# Altium PCB VNA_v4.PcbDoc (part 3 of 5)
Units mm, origin at the board's own origin, x right, y up, seen from the top; angles counter-clockwise.
Board outline 179 x 180 mm, 2 copper layers (Top Layer, Bottom Layer), stack 1.601 mm thick; 281 components, 184 nets, 845 pads, 5745 vias.
Unrouted connection lines stored in the file: 5.
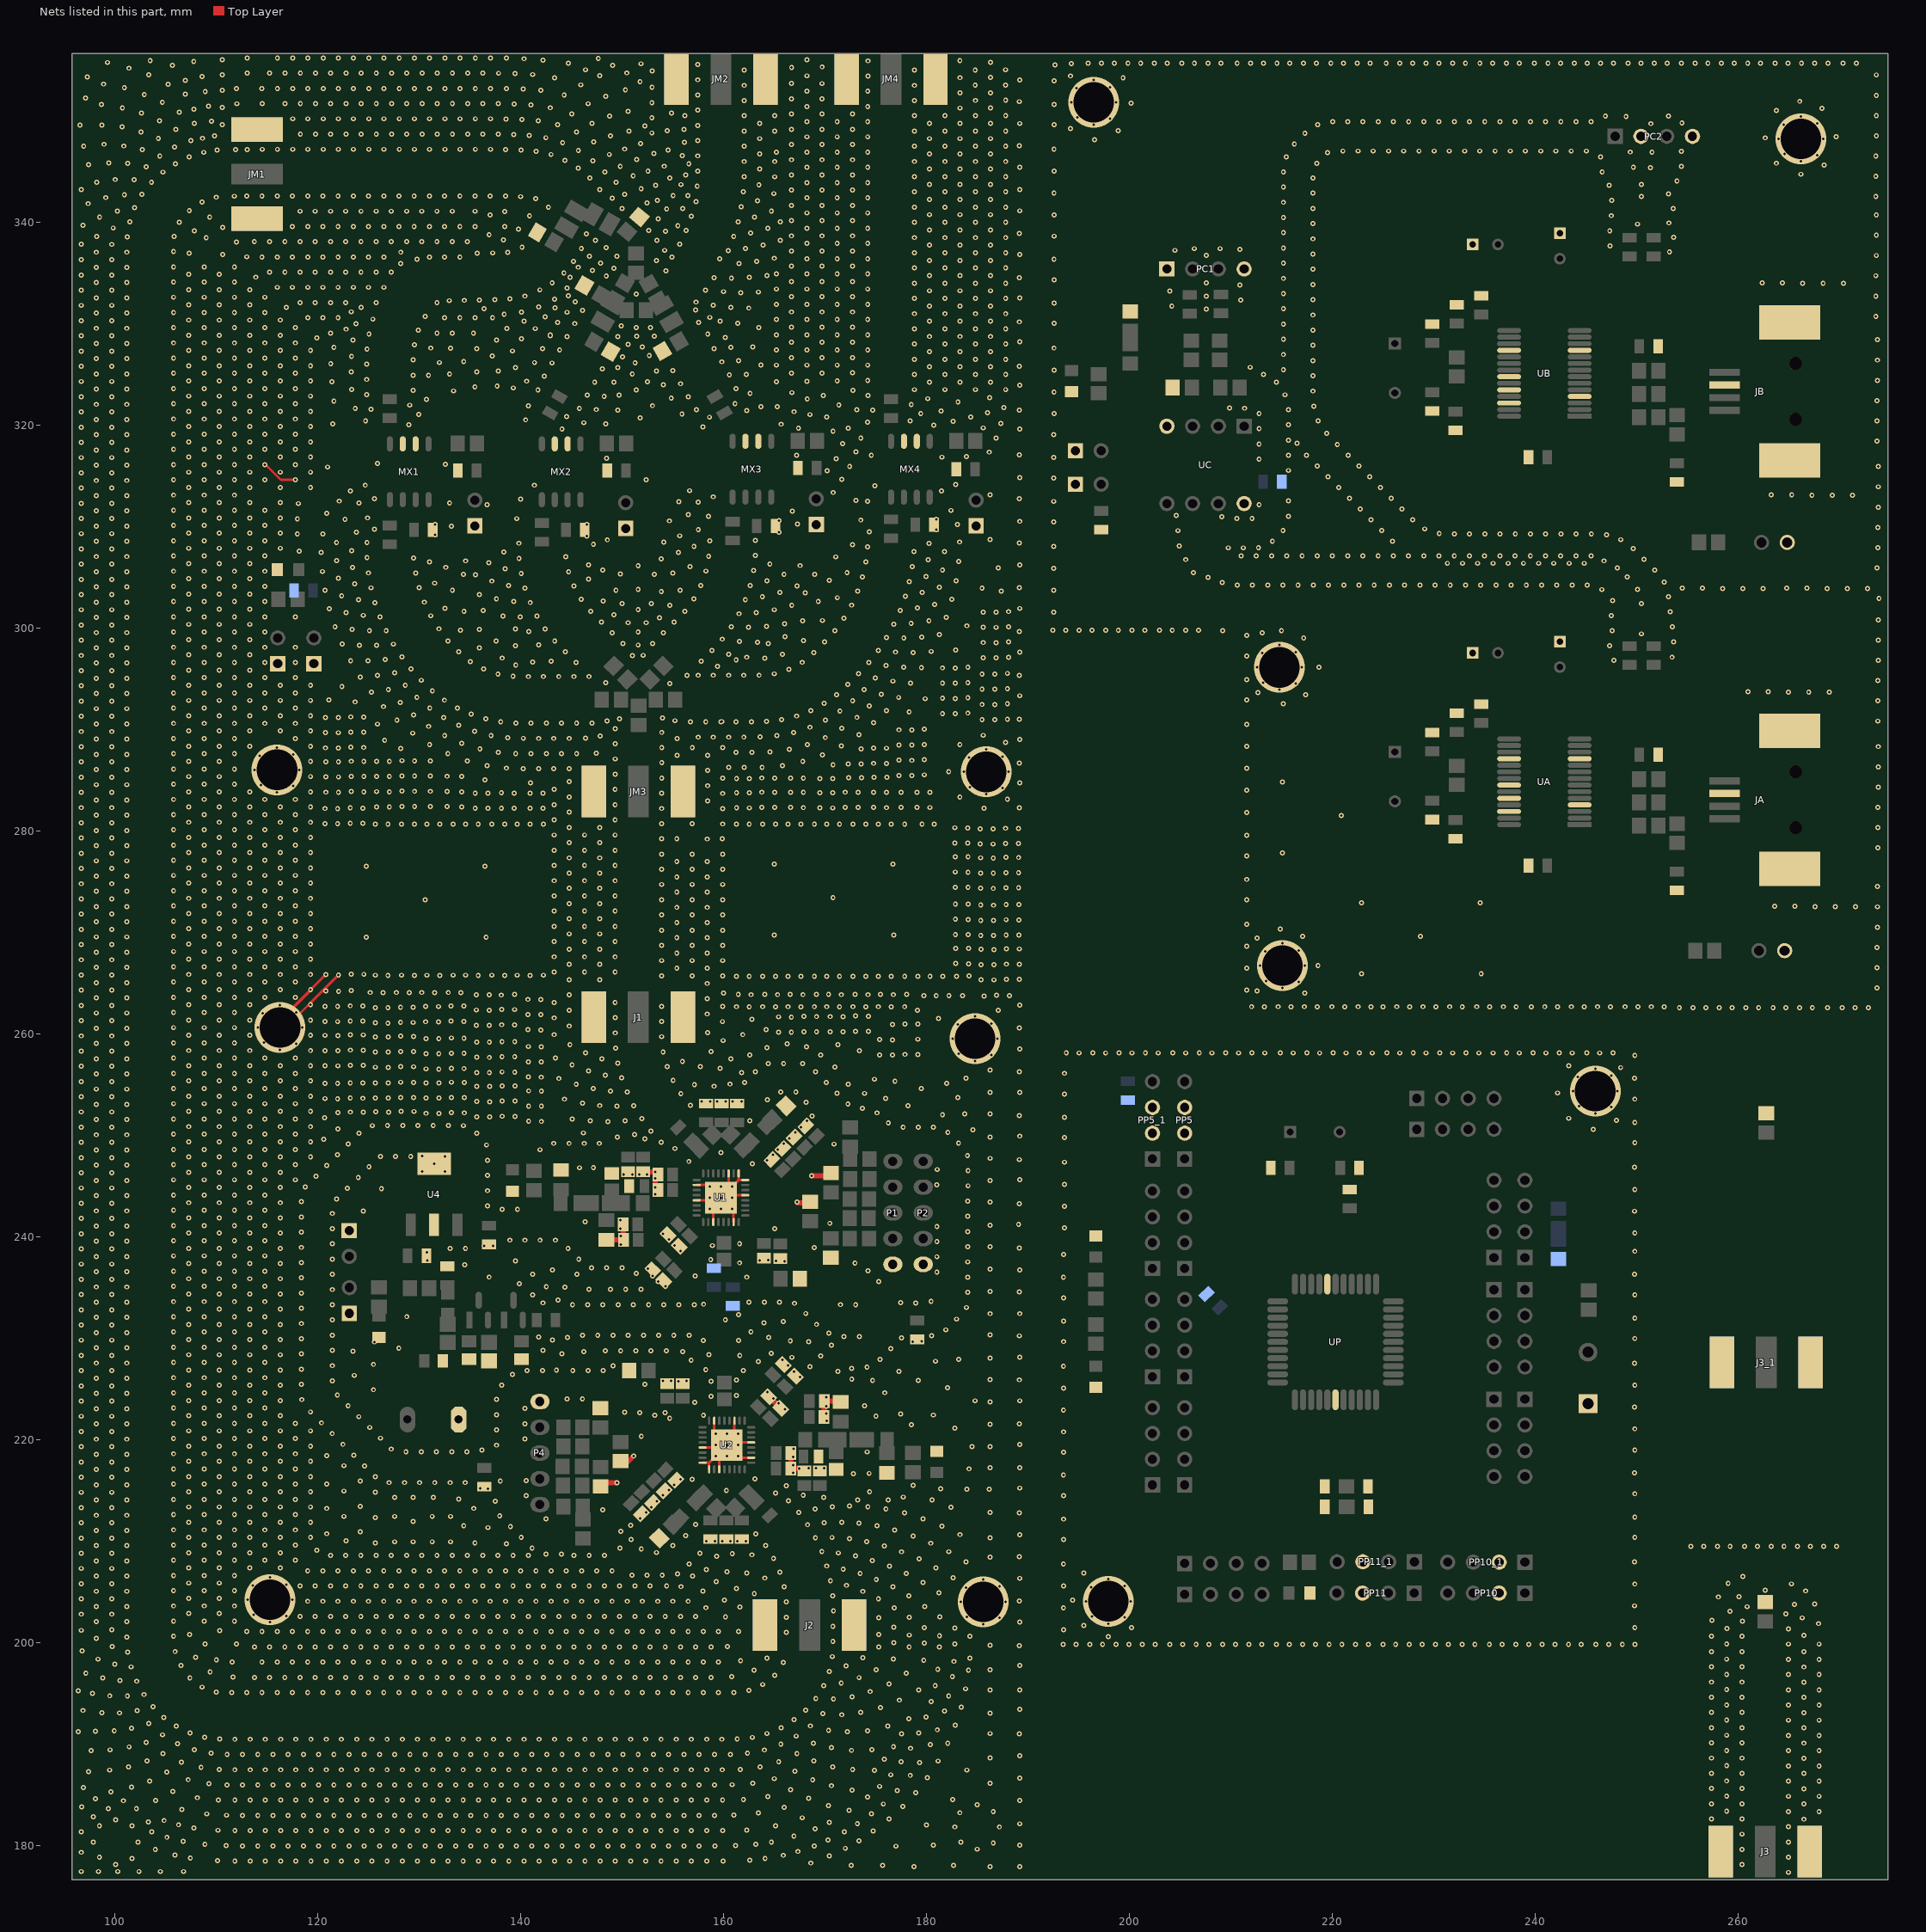
[diagram p3: the nets of this part, all layers, seen from the top]

## Via types
v1: diameter 0.5, hole 0.254, Top Layer to Bottom Layer, 5718 vias
v2: diameter 5, hole 4, Top Layer to Bottom Layer, 12 vias
v3: diameter 1, hole 0.5, Top Layer to Bottom Layer, 8 vias
v4: diameter 1.27, hole 0.711, Top Layer to Bottom Layer, 7 vias

## Nets (pads, with @x,y where several pads share a name; then routed paths per layer and width w, separated by ;. In a path a pad name is that pad's centre, name@x,y a point inside that pad or via, vN(x,y) a via of type N, cw(c..) or ccw(c..) an arc to the next point about the centre after c; other vN are vias at no path point) (continued)
GND: (continued)
  other v1: 264.987,177.314 96.7,177.4 98.4,177.4 100.3,177.4 102.4,177.4 104.5,177.4 106.8,177.4 178.8,177.9 186.3,177.9 189.2,177.9 172.6,178 175.7,178 182.7,178 260.413,178.083 100.1,178.1 168.629,178.241 111.85,178.435 113.35,178.435 114.85,178.435 116.35,178.435 117.85,178.435 119.35,178.435 120.85,178.435 122.35,178.435 123.85,178.435 125.35,178.435 126.85,178.435 128.35,178.435 129.85,178.435 131.35,178.435 132.85,178.435 134.35,178.435 135.85,178.435 137.35,178.435 138.85,178.435 140.35,178.435 141.85,178.435 143.35,178.435 144.85,178.435 146.35,178.435 147.85,178.435 149.35,178.435 150.85,178.435 152.35,178.435 153.85,178.435 155.35,178.435 156.85,178.435 158.35,178.435 159.968,178.435 110.12,178.466 162.614,178.516 164.105,178.674 101.7,178.7 107.447,178.723 98.5,178.8 264.987,178.814 170.434,178.937 165.902,179.004 105.93,179.014 96.7,179.3 167.352,179.386 104.008,179.562 260.413,179.583 185,179.6 172.026,179.688 177,179.9 112.6,179.933 114.1,179.933 115.6,179.933 117.1,179.933 118.6,179.933 120.1,179.933 121.6,179.933 123.1,179.933 124.6,179.933 126.1,179.933 127.6,179.933 129.1,179.933 130.6,179.933 132.1,179.933 133.6,179.933 135.1,179.933 136.6,179.933 138.1,179.933 139.6,179.933 141.1,179.933 142.6,179.933 144.1,179.933 145.6,179.933 147.1,179.933 148.6,179.933 150.1,179.933 151.6,179.933 153.1,179.933 154.6,179.933 156.1,179.933 157.6,179.933 159.151,179.934 168.943,179.927 110.999,179.949 161.204,179.97 180.7,180 189.2,180 108.886,180.088 163.202,180.085 186.6,180.2 97.9,180.3 102.3,180.3 183.4,180.3 164.734,180.309 264.996,180.314 106.748,180.392 173.349,180.437 170.326,180.508 105.153,180.785 166.941,180.881 260.404,181.083 96.7,181.3 103.638,181.307 171.928,181.327 174.772,181.385 111.85,181.435 113.35,181.435 114.85,181.435 116.35,181.435 117.85,181.435 119.35,181.435 120.85,181.435 122.35,181.435 123.85,181.435 125.35,181.435 126.85,181.435 128.35,181.435 129.85,181.435 131.35,181.435 132.85,181.435 134.35,181.435 135.85,181.435 137.35,181.435 138.85,181.435 140.35,181.435 141.85,181.435 143.35,181.435 144.85,181.435 146.35,181.435 147.85,181.435 149.35,181.435 150.85,181.435 152.35,181.435 153.85,181.435 155.35,181.435 156.85,181.435 158.35,181.435 159.938,181.436 110.177,181.466 162.298,181.5 169.054,181.599 107.8,181.703 182.8,181.8 187.2,181.8 264.996,181.814 98.5,181.9 101.7,181.9 165.137,181.905 180,182 106.299,182.012 189.2,182.1 173.209,182.108 170.447,182.248 103.3,182.3 104.861,182.438 100.1,182.5 257.395,182.583 260.404,182.583 266.503,182.564 176.335,182.601 167.781,182.693 97.894,182.806 112.6,182.934 114.1,182.934 115.6,182.934 117.1,182.934 118.6,182.934 120.1,182.934 121.6,182.934 123.1,182.934 124.6,182.934 126.1,182.934 127.6,182.934 129.1,182.934 130.6,182.934 132.1,182.934 133.6,182.934 135.1,182.934 136.6,182.934 138.1,182.934 139.6,182.934 141.1,182.934 142.6,182.934 144.1,182.934 145.6,182.934 147.1,182.934 148.6,182.934 150.1,182.934 151.6,182.934 153.1,182.934 154.6,182.934 156.1,182.934 157.6,182.934 159.136,182.934 111.028,182.949 161.032,182.963 109.091,183.078 174.6,183.098 163.448,183.173 183.3,183.2 186.6,183.3 264.996,183.314 268.005,183.314 258.897,183.333 172.397,183.43 106.632,183.534 99.374,183.594 102.146,183.621 165.978,183.715 96.73,183.763 177.684,183.824 170.366,183.889 185,184 175.757,184.053 257.395,184.083 260.404,184.083 266.503,184.064 100.855,184.384 189.2,184.4 104.043,184.423 111.85,184.437 113.35,184.437 114.85,184.437 116.35,184.437 117.85,184.437 119.35,184.437 120.85,184.437 122.35,184.437 123.85,184.437 125.35,184.437 126.85,184.437 128.35,184.437 129.85,184.437 131.35,184.437 132.85,184.437 134.35,184.437 135.85,184.437 137.35,184.437 138.85,184.437 140.35,184.437 141.85,184.437 143.35,184.437 144.85,184.437 146.35,184.437 147.85,184.437 149.35,184.437 150.85,184.437 152.35,184.437 153.85,184.437 155.35,184.437 156.85,184.437 158.35,184.437 159.909,184.437 110.235,184.466 161.982,184.485 182.6,184.5 98.104,184.582 168.393,184.622 108.153,184.683 174.225,184.732 164.373,184.808 264.996,184.814 268.005,184.814 258.897,184.833 178.939,185.188 99.632,185.253 105.714,185.316 177.127,185.38 172.69,185.413 166.619,185.46 257.395,185.583 260.404,185.583 266.503,185.564 96.913,185.664 101.649,185.722 175.403,185.79 170.661,185.869 112.6,185.936 114.1,185.936 115.6,185.936 117.1,185.936 118.6,185.936 120.1,185.936 121.6,185.936 123.1,185.936 124.6,185.936 126.1,185.936 127.6,185.936 129.1,185.936 130.6,185.936 132.1,185.936 133.6,185.936 135.1,185.936 136.6,185.936 138.1,185.936 139.6,185.936 141.1,185.936 142.6,185.936 144.1,185.936 145.6,185.936 147.1,185.936 148.6,185.936 150.1,185.936 151.6,185.936 153.1,185.936 154.6,185.936 156.1,185.936 157.6,185.936 159.122,185.936 111.057,185.951 160.859,185.956 109.297,186.069 162.907,186.117 186.3,186.1 264.996,186.314 268.005,186.314 103.454,186.322 258.897,186.333 107.235,186.463 168.803,186.451 165.014,186.551 189.2,186.6 180.112,186.664 178.424,186.885 176.498,186.933 257.395,187.083 260.404,187.083 266.503,187.064 105.124,187.213 97.438,187.259 167.03,187.287 174.875,187.363 99.497,187.399 184,187.4 111.85,187.437 113.35,187.437 114.85,187.437 116.35,187.437 117.85,187.437 119.35,187.437 120.85,187.437 122.35,187.437 123.85,187.437 125.35,187.437 126.85,187.437 128.35,187.437 129.85,187.437 131.35,187.437 132.85,187.437 134.35,187.437 135.85,187.437 137.35,187.437 138.85,187.437 140.35,187.437 141.85,187.437 143.35,187.437 144.85,187.437 146.35,187.437 147.85,187.437 149.35,187.437 150.85,187.437 152.35,187.437 153.85,187.437 155.35,187.437 156.85,187.437 158.35,187.437 159.879,187.437 172.743,187.461 110.292,187.466 161.666,187.468 108.506,187.663 101.369,187.7 163.608,187.709 170.78,187.728 264.996,187.814 268.005,187.814 258.897,187.833 179.322,188.129 106.567,188.192 165.457,188.226 177.52,188.207 103.172,188.297 181.166,188.289 168.924,188.308 175.866,188.488 266.503,188.564 186.3,188.6 257.395,188.583 260.404,188.583 189.2,188.8 111.085,188.953 112.6,188.939 114.1,188.939 115.6,188.939 117.1,188.939 118.6,188.939 120.1,188.939 121.6,188.939 123.1,188.939 124.6,188.939 126.1,188.939 127.6,188.939 129.1,188.939 130.6,188.939 132.1,188.939 133.6,188.939 135.1,188.939 136.6,188.939 138.1,188.939 139.6,188.939 141.1,188.939 142.6,188.939 144.1,188.939 145.6,188.939 147.1,188.939 148.6,188.939 150.1,188.939 151.6,188.939 153.1,188.939 154.6,188.939 156.1,188.939 157.6,188.939 159.107,188.939 160.686,188.95 167.241,189.013 104.761,189.023 109.502,189.061 162.367,189.062 97.693,189.318 264.996,189.314 268.005,189.314 258.897,189.333 172.622,189.346 99.552,189.39 107.838,189.393 164.05,189.386 174.622,189.424 178.441,189.555 170.661,189.611 101.423,189.689 176.769,189.707 180.393,189.911 165.667,189.953 106.204,190.003 168.871,190.042 182.112,190.037 266.503,190.064 257.395,190.083 260.404,190.083 103.107,190.146 111.85,190.446 113.35,190.446 114.85,190.446 116.35,190.446 117.85,190.446 119.35,190.446 120.85,190.446 122.35,190.446 123.85,190.446 125.35,190.446 126.85,190.446 128.35,190.446 129.85,190.446 131.35,190.446 132.85,190.446 134.35,190.446 135.85,190.446 137.35,190.446 138.85,190.446 140.35,190.446 141.85,190.446 143.35,190.446 144.85,190.446 146.35,190.446 147.85,190.446 149.35,190.446 150.85,190.446 152.35,190.446 153.85,190.446 155.35,190.446 156.85,190.446 158.35,190.446 159.85,190.446 161.349,190.461 110.35,190.475 162.841,190.619 108.86,190.651 167.187,190.748 264.996,190.814 268.005,190.814 258.897,190.833 104.696,190.873 189.181,190.964 177.557,190.983 164.292,191.001 186.3,191 179.265,191.057 107.422,191.078 96.4,191.2 98.089,191.22 172.218,191.205 99.946,191.29 174.216,191.284 170.371,191.329 181.092,191.379 101.665,191.52 266.503,191.564 165.675,191.582 257.395,191.583 260.404,191.583 106.072,191.731 176.195,191.75 168.579,191.761 182.857,191.817 103.349,191.978 264.996,192.314 268.005,192.314 258.897,192.333 166.955,192.363 178.294,192.463 104.849,192.6 179.965,192.62 171.663,192.861 169.815,192.986 186.3,193 100.48,193.033 98.743,193.066 266.503,193.064 173.518,193.081 257.395,193.083 260.404,193.083 181.786,193.227 102.2,193.263 96.885,193.286 168.112,193.317 189.2,193.4 175.495,193.548 183.445,193.593 103.784,193.656 264.996,193.814 268.005,193.814 258.897,193.833 180.483,194.157 177.344,194.303 170.841,194.413 169.103,194.443 266.503,194.564 257.395,194.583 260.404,194.583 172.698,194.632 101.256,194.693 182.198,194.691 99.518,194.724 102.878,194.851 97.806,194.977 111.517,195.038 113.017,195.038 114.517,195.038 116.017,195.038 117.517,195.038 119.017,195.038 120.517,195.038 122.017,195.038 123.517,195.038 125.017,195.038 126.517,195.038 128.017,195.038 129.517,195.038 131.017,195.038 132.517,195.038 134.017,195.038 135.517,195.038 137.017,195.038 138.517,195.038 140.017,195.038 141.517,195.038 143.017,195.038 144.517,195.038 146.017,195.038 147.517,195.038 149.017,195.038 150.517,195.038 152.017,195.038 153.517,195.038 155.017,195.038 156.517,195.038 158.017,195.038 159.517,195.038 161.017,195.035 110.019,195.103 174.474,195.148 96.4,195.2 162.502,195.248 179.259,195.298 186.3,195.3 189.2,195.3 258.897,195.333 264.996,195.314 268.005,195.314 183.865,195.408 108.595,195.576 169.892,195.719 180.881,195.729 163.884,195.833 176.32,195.904 171.604,195.994 266.503,196.064 257.395,196.083 260.404,196.083 102.158,196.168 100.525,196.236 98.811,196.488 107.405,196.489 173.381,196.51 113.767,196.545 115.267,196.545 116.767,196.545 118.267,196.545 119.767,196.545 121.267,196.545 122.767,196.545 124.267,196.545 125.767,196.545 127.267,196.545 128.767,196.545 130.267,196.545 131.767,196.545 133.267,196.545 134.767,196.545 136.267,196.545 137.767,196.545 139.267,196.545 140.767,196.545 142.267,196.545 143.767,196.545 145.267,196.545 146.767,196.545 148.267,196.545 149.767,196.545 151.267,196.545 152.767,196.545 154.267,196.545 155.767,196.545 157.267,196.545 158.767,196.545 111.656,196.572 160.806,196.629 182.574,196.616 165.067,196.754 258.897,196.833 264.996,196.814 268.005,196.814 178.017,196.946 97.148,196.968 109.395,197.076 170.434,197.118 184.15,197.242 163.021,197.252 175.047,197.308 181.137,197.318 186.3,197.3 101.62,197.568 266.503,197.564 257.395,197.583 260.404,197.583 172.077,197.671 189.2,197.7 106.521,197.701 100.01,197.853 165.896,198.005 111.583,198.047 114.517,198.047 116.017,198.047 117.517,198.047 119.017,198.047 120.517,198.047 122.017,198.047 123.517,198.047 125.017,198.047 126.517,198.047 128.017,198.047 129.517,198.047 131.017,198.047 132.517,198.047 134.017,198.047 135.517,198.047 137.017,198.047 138.517,198.047 140.017,198.047 141.517,198.047 143.017,198.047 144.517,198.047 146.017,198.047 147.517,198.047 149.017,198.047 150.517,198.047 152.017,198.047 153.517,198.047 155.017,198.047 156.517,198.047 158.017,198.047 159.517,198.047 182.739,198.115 161.689,198.172 179.741,198.233 110.025,198.272 98.346,198.333 258.897,198.333 264.996,198.314 268.005,198.314 176.742,198.351 164.3,198.442 184.3,198.442 173.744,198.469 107.966,198.508 170.737,198.587 101.274,199.027 266.503,199.064 105.961,199.092 257.395,199.083 260.404,199.083 96.793,199.151 113.767,199.548 115.267,199.548 116.767,199.548 118.267,199.548 119.767,199.548 121.267,199.548 122.767,199.548 124.267,199.548 125.767,199.548 127.267,199.548 128.767,199.548 130.267,199.548 131.767,199.548 133.267,199.548 134.767,199.548 136.267,199.548 137.767,199.548 139.267,199.548 140.767,199.548 142.267,199.548 143.767,199.548 145.267,199.548 146.767,199.548 148.267,199.548 149.767,199.548 151.267,199.548 152.767,199.548 154.267,199.548 155.767,199.548 157.267,199.548 158.767,199.548 175.3,199.542 178.3,199.542 181.3,199.542 99.753,199.567 160.4,199.588 189.181,199.678 186.3,199.7 193.504,199.797 194.768,199.785 196.104,199.797 197.368,199.785 198.704,199.797 199.968,199.785 201.304,199.797 202.568,199.785 204.004,199.797 205.268,199.785 206.604,199.797 207.868,199.785 209.204,199.797 210.468,199.785 211.804,199.797 213.068,199.785 214.504,199.797 215.768,199.785 217.104,199.797 218.368,199.785 219.704,199.797 220.968,199.785 222.304,199.797 223.568,199.785 225.004,199.797 226.268,199.785 227.604,199.797 228.868,199.785 230.204,199.797 231.468,199.785 232.804,199.797 234.068,199.785 235.504,199.797 236.768,199.785 238.104,199.797 239.368,199.785 240.704,199.797 241.968,199.785 243.304,199.797 244.568,199.785 246.004,199.797 247.268,199.785 248.604,199.797 249.868,199.785 108.907,199.834 258.897,199.833 264.996,199.814 268.005,199.814 112,199.842 182.797,199.85 179.798,199.909 176.799,199.968 170.796,200.086 98.198,200.385 101.204,200.525 197.933,200.543 105.796,200.583 257.395,200.583 260.404,200.583 184.301,200.603 181.304,200.655 266.491,200.697 178.304,200.706 107.37,200.773 175.303,200.758 166.204,200.973 113.017,201.047 114.517,201.047 116.017,201.047 117.517,201.047 119.017,201.047 120.517,201.047 122.017,201.047 123.517,201.047 125.017,201.047 126.517,201.047 128.017,201.047 129.517,201.047 131.017,201.047 132.517,201.047 134.017,201.047 135.517,201.047 137.017,201.047 138.517,201.047 140.017,201.047 141.517,201.047 143.017,201.047 144.517,201.047 146.017,201.047 147.517,201.047 149.017,201.047 150.517,201.047 152.017,201.047 153.517,201.047 155.017,201.047 156.517,201.047 158.017,201.047 159.517,201.047 161.493,201.057 110.34,201.143 96.697,201.17 99.698,201.24 193.533,201.243 264.996,201.314 258.917,201.353 182.807,201.408 179.807,201.452 200.233,201.443 249.833,201.443 176.805,201.497 170.796,201.586 195.533,201.643 185.6,201.8 197.933,201.843 267.958,201.847 115.3,202 189.2,202 98.195,202.025 101.204,202.025 105.796,202.083 108.805,202.083 111.805,202.083 260.444,202.083 257.435,202.162 175.325,202.414 187.2,202.4 266.324,202.401 199.533,202.443 166.213,202.473 178.325,202.466 160.203,202.49 184,202.5 181.324,202.518 118.267,202.55 119.767,202.55 121.267,202.55 122.767,202.55 124.267,202.55 125.767,202.55 127.267,202.55 128.767,202.55 130.267,202.55 131.767,202.55 133.267,202.55 134.767,202.55 136.267,202.55 137.767,202.55 139.267,202.55 140.767,202.55 142.267,202.55 143.767,202.55 145.267,202.55 146.767,202.55 148.267,202.55 149.767,202.55 151.267,202.55 152.767,202.55 154.267,202.55 155.767,202.55 157.267,202.55 196.333,202.543 116.9,202.6 113.7,202.7 96.694,202.775 99.697,202.775 264.73,202.79 107.303,202.833 110.306,202.833 259.219,203.056 170.84,203.085 176.843,203.383 193.514,203.388 158.263,203.412 161.639,203.486 260.927,203.503 98.195,203.525 101.204,203.525 179.84,203.532 105.796,203.583 108.805,203.583 111.805,203.583 249.814,203.588 265.588,203.746 267.572,203.78 166.213,203.973 183.4,204 187.8,204 119.017,204.049 120.517,204.049 122.017,204.049 123.517,204.049 125.017,204.049 126.517,204.049 128.017,204.049 129.517,204.049 131.017,204.049 132.517,204.049 134.017,204.049 135.517,204.049 137.017,204.049 138.517,204.049 140.017,204.049 141.517,204.049 143.017,204.049 144.517,204.049 146.017,204.049 147.517,204.049 149.017,204.049 150.517,204.049 152.017,204.049 153.517,204.049 155.017,204.049 156.517,204.049 195.733,204.043 200.133,204.043 189.181,204.061 194.433,204.143 160.106,204.164 113.1,204.2 117.5,204.2 96.694,204.275 99.697,204.275 175.286,204.277 107.303,204.333 110.306,204.333 258.078,204.473 260.112,204.489 170.766,204.583 178.27,204.571 163.043,204.809 181.253,204.866 98.195,205.025 101.204,205.025 173.743,205.025 157.972,205.06 266.688,205.065 105.796,205.083 108.805,205.083 111.805,205.083 262.698,205.119 161.272,205.3 183.9,205.4 196.233,205.443 165.988,205.456 176.711,205.464 155.824,205.488 187.2,205.5 154.4,205.542 193.533,205.543 199.533,205.543 118.267,205.551 119.767,205.551 121.267,205.551 122.767,205.551 124.267,205.551 125.767,205.551 127.267,205.551 128.767,205.551 130.267,205.551 131.767,205.551 133.267,205.551 134.767,205.551 136.267,205.551 137.767,205.551 139.267,205.551 140.767,205.551 142.267,205.551 143.767,205.551 145.267,205.551 146.767,205.551 148.267,205.551 149.767,205.551 151.267,205.551 152.767,205.551 113.6,205.6 172.134,205.615 116.9,205.7 249.833,205.743 265.285,205.748 96.694,205.775 99.697,205.775 259.027,205.825 107.303,205.833 110.306,205.833 179.68,205.904 159.281,205.982 170.546,206.067 175.076,206.193 185.6,206.2 197.933,206.243 189.2,206.3 164.065,206.337 182.648,206.344 115.3,206.4 260.498,206.481 98.195,206.525 101.204,206.525 156.968,206.545 105.796,206.583 108.805,206.583 111.805,206.583 150.974,206.622 152.474,206.622 153.974,206.622 155.469,206.734 173.469,206.784 178.019,206.77 162.293,206.828 195.533,206.843 165.57,206.896 160.351,206.946 119.017,207.049 120.517,207.049 122.017,207.049 123.517,207.049 125.017,207.049 126.517,207.049 128.017,207.049 129.517,207.049 131.017,207.049 132.517,207.049 134.017,207.049 135.517,207.049 137.017,207.049 138.517,207.049 140.017,207.049 141.517,207.049 143.017,207.049 144.517,207.049 146.017,207.049 147.517,207.049 149.017,207.049 158.329,207.152 171.811,207.222 96.694,207.275 99.697,207.275 107.303,207.333 110.306,207.333 113.308,207.333 116.309,207.333 180.961,207.348 176.383,207.498 170.189,207.524 156.611,207.707 193.514,207.718 183.899,207.925 249.814,207.918 98.195,208.025 101.204,208.025 105.796,208.083 108.805,208.083 111.805,208.083 114.807,208.083 117.807,208.083 174.688,208.071 179.298,208.213 164.947,208.261 186.3,208.4 189.181,208.445 159.327,208.49 173.032,208.51 121.267,208.548 122.767,208.548 124.267,208.548 125.767,208.548 127.267,208.548 128.767,208.548 130.267,208.548 131.767,208.548 133.267,208.548 134.767,208.548 136.267,208.548 137.767,208.548 139.267,208.548 140.767,208.548 145.267,208.548 146.767,208.548 148.267,208.548 162.824,208.626 142.523,208.704 144.023,208.704 160.88,208.742 157.672,208.767 96.694,208.775 99.697,208.775 171.338,208.799 107.303,208.833 110.306,208.833 113.308,208.833 116.309,208.833 153.4,208.842 177.564,208.921 169.697,208.941 182.212,208.928 119.912,209.066 151.9,209.2 141.135,209.272 149.8,209.3 255.371,209.454 256.635,209.442 257.971,209.454 259.235,209.442 260.671,209.454 261.935,209.442 263.271,209.454 264.535,209.442 265.871,209.454 267.135,209.442 268.471,209.454 269.735,209.442 175.867,209.493 98.195,209.525 101.204,209.525 164.149,209.531 155,209.542 105.796,209.583 108.805,209.583 111.805,209.583 114.807,209.583 117.807,209.583 138.6,209.7 180.439,209.77 125.7,209.8 135.5,209.8 127.6,209.9 129.4,209.9 131.3,209.9 133.1,209.9 174.116,209.926 159.17,209.95 160.68,209.96 161.37,209.96 158.32,209.98 159.9,209.97 162.22,209.97 122.8,210 150.9,210.142 193.533,210.143 172.424,210.215 96.694,210.275 99.697,210.275 169.062,210.3 170.711,210.324 186.3,210.3 107.303,210.333 110.306,210.333 113.308,210.333 116.309,210.333 119.306,210.333 140.074,210.332 249.833,210.343 178.702,210.477 156.3,210.5 189.2,210.6 183.311,210.618 163.183,210.679 120.9,210.7 124.2,210.9 149.9,210.942 98.195,211.025 101.204,211.025 176.894,211.053 105.796,211.083 108.805,211.083 111.805,211.083 114.807,211.083 117.807,211.083 136.8,211.3 139.013,211.393 181.537,211.46 175.142,211.485 134.4,211.5 150.87,211.543 168.297,211.59 157.257,211.617 173.362,211.725 96.694,211.775 99.697,211.775 169.938,211.773 107.303,211.833 110.306,211.833 113.308,211.833 116.309,211.833 119.306,211.833 171.651,211.835 129.4,211.9 193.533,212.143 142.514,212.179 151.81,212.2 179.671,212.18 125.7,212.3 249.833,212.343 122.6,212.4 127.6,212.4 131.3,212.4 133.1,212.4 137.955,212.456 98.195,212.525 101.204,212.525 105.796,212.583 108.805,212.583 111.805,212.583 114.807,212.583 117.807,212.583 177.861,212.756 189.181,212.775 167.415,212.804 186.3,212.8 152.4,212.82 148.097,213.057 169.031,213.138 176.013,213.127 120.9,213.2 135.4,213.2 96.694,213.275 99.697,213.275 152.9,213.32 182.445,213.306 107.303,213.333 110.306,213.333 113.308,213.333 116.309,213.333 119.306,213.333 170.731,213.36 174.231,213.365 124.2,213.4 172.443,213.421 137.524,213.893 153.46,213.91 166.424,213.929 98.195,214.025 101.204,214.025 180.579,214.026 173.248,214.046 176.248,214.046 105.796,214.083 108.805,214.083 111.805,214.083 114.807,214.083 117.807,214.083 133.9,214.1 127.6,214.3 129.4,214.3 131.4,214.3 169.9,214.3 177.725,214.31 140.556,214.442 193.533,214.443 154.04,214.48 167.871,214.512 249.833,214.643 165.135,214.697 96.694,214.775 99.697,214.775 125.7,214.8 107.303,214.833 110.306,214.833 113.308,214.833 116.309,214.833 119.306,214.833 174.4,214.842 122.6,214.9 160.29,214.96 154.64,215.02 184,215.1 186.2,215.1 136.81,215.15 181.4,215.142 136.01,215.16 189.2,215.2 166.2,215.442 178.692,215.455 155.16,215.5 98.195,215.525 101.204,215.525 105.796,215.583 108.805,215.583 111.805,215.583 114.807,215.583 117.807,215.583 120.9,215.6 127.053,215.744 128.553,215.744 130.053,215.744 131.553,215.744 133.053,215.744 134.553,215.744 124.2,215.9 138,215.9 140.557,215.942 155.76,216.08 156.91,216.07 163.1,216.1 96.694,216.275 99.697,216.275 107.303,216.333 110.306,216.333 113.308,216.333 116.309,216.333 119.306,216.333 125.673,216.333 193.514,216.485 172.81,216.63 174.36,216.64 166.86,216.7 249.814,216.685 98.195,217.025 101.204,217.025 105.796,217.083 108.805,217.083 111.805,217.083 114.807,217.083 117.807,217.083 184.2,217.1 168.4,217.17 169.11,217.17 169.93,217.16 186.3,217.2 189.2,217.2 122.6,217.4 124.613,217.394 166.89,217.47 96.694,217.775 99.697,217.775 107.303,217.833 110.306,217.833 113.308,217.833 116.309,217.833 119.306,217.833 166.89,218.26 160.343,218.347 120.9,218.4 123.552,218.454 98.195,218.525 101.204,218.525 105.796,218.583 108.805,218.583 111.805,218.583 114.807,218.583 117.807,218.583 193.533,218.743 128.716,218.776 130.216,218.776 131.716,218.776 133.216,218.776 134.716,218.776 174.178,218.759 136.208,218.931 249.833,218.943 127.242,219.052 166.9,219.06 96.694,219.275 99.697,219.275 184.5,219.3 186.3,219.3 107.303,219.333 110.306,219.333 113.308,219.333 116.309,219.333 119.306,219.333 137.622,219.432 159.243,219.447 161.443,219.447 122.492,219.515 189.2,219.5 98.195,220.025 101.204,220.025 140.418,220.048 105.796,220.083 108.805,220.083 111.805,220.083 114.807,220.083 117.807,220.083 126.181,220.113 151.9,220.3 159.243,220.547 160.343,220.547 161.443,220.547 121.431,220.576 193.533,220.743 96.694,220.775 99.697,220.775 107.303,220.833 110.306,220.833 113.308,220.833 116.309,220.833 119.306,220.833 137.622,220.932 249.833,221.043 182.8,221.1 125.12,221.173 178.519,221.43 186.3,221.5 98.195,221.525 101.204,221.525 140.418,221.548 189.181,221.542 105.796,221.583 108.805,221.583 111.805,221.583 114.807,221.583 117.807,221.583 120.37,221.636 170.17,221.83 154.697,222.069 124.06,222.234 96.694,222.275 99.697,222.275 175.035,222.303 107.303,222.333 110.306,222.333 113.308,222.333 116.309,222.333 153.23,222.382 158.038,222.376 180.7,222.4 137.622,222.432 177.481,222.514 170.14,222.53 151.752,222.636 150.252,222.663 154.246,222.648 119.31,222.697 193.514,222.888 166.08,222.99 98.195,223.025 101.204,223.025 140.418,223.048 105.796,223.083 108.805,223.083 111.805,223.083 114.807,223.083 249.814,223.188 122.999,223.295 170.16,223.28 173.923,223.312 165.45,223.57 157.161,223.665 186.3,223.7 96.694,223.775 99.697,223.775 184.8,223.8 189.2,223.8 107.303,223.833 110.306,223.833 113.308,223.833 116.309,223.833 118.448,223.925 137.622,223.932 144.592,223.982 146.092,223.982 164.917,224.038 170.14,224.15 158.8,224.242 161.3,224.342 121.938,224.355 98.195,224.525 101.204,224.525 105.796,224.583 108.805,224.583 111.805,224.583 114.807,224.583 175.9,224.6 164.35,224.67 125.5,224.9 193.533,225.043 182.1,225.1 96.694,225.275 99.697,225.275 107.303,225.333 110.306,225.333 113.308,225.333 116.309,225.333 138.141,225.339 249.833,225.343 118.414,225.425 152.271,225.432 155.58,225.74 158.8,225.742 154.04,225.75 154.86,225.75 156.37,225.75 121.446,225.772 174.7,225.8 179.2,225.8 161.3,225.842 189.181,225.872 186.3,225.9 172.658,225.942 98.195,226.025 101.204,226.025 105.796,226.083 108.805,226.083 111.805,226.083 114.807,226.083 167.55,226.14 123.6,226.3 139.206,226.395 166.96,226.68 171.284,226.697 177.3,226.7 96.694,226.775 99.697,226.775 140.656,226.778 142.156,226.778 145.156,226.778 146.656,226.778 148.156,226.778 161.954,226.795 107.303,226.833 110.306,226.833 113.308,226.833 116.309,226.833 143.547,226.83 158.257,226.877 118.414,226.925 172.652,227.008 174.147,227.124 168.521,227.165 193.514,227.218 149.117,227.245 121.446,227.272 166.38,227.28 125.5,227.4 249.814,227.518 98.195,227.525 101.204,227.525 105.796,227.583 108.805,227.583 111.805,227.583 114.807,227.583 163.443,227.674 180.9,227.7 156.814,227.795 165.81,227.84 175.436,227.892 183.2,227.9 186.3,228 166.75,228.081 189.2,228.1 169.582,228.225 161.604,228.254 96.694,228.275 99.697,228.275 107.303,228.333 110.306,228.333 113.308,228.333 116.309,228.333 158.573,228.344 118.414,228.425 144.088,228.43 164.717,228.466 146.237,228.645 155.994,228.652 123.5,228.7 148.367,228.747 149.867,228.747 151.367,228.747 152.867,228.747 154.367,228.747 121.446,228.772 142.211,228.775 176.496,228.953 128,229 98.195,229.025 101.204,229.025 105.796,229.083 108.805,229.083 111.805,229.083 114.807,229.083 170.642,229.286 125.6,229.6 168.4,229.642 178.67,229.64 193.533,229.643 179.55,229.66 166.6,229.7 158.026,229.74 161.479,229.749 96.694,229.775 99.697,229.775 143.15,229.809 107.303,229.833 110.306,229.833 113.308,229.833 116.309,229.833 118.414,229.925 249.833,229.943 144.633,230.034 177.557,230.013 164.47,230.046 141.8,230.1 171.888,230.122 173.388,230.146 189.181,230.201 180.537,230.222 146.117,230.254 147.617,230.254 149.117,230.254 150.617,230.254 152.117,230.254 153.617,230.254 155.117,230.254 156.617,230.254 121.446,230.272 186.3,230.3 170.409,230.473 98.195,230.525 101.204,230.525 105.796,230.583 108.805,230.583 111.805,230.583 114.807,230.583 162.705,230.586 181.925,230.791 96.694,231.275 99.697,231.275 107.303,231.333 110.306,231.333 113.308,231.333 116.309,231.333 169.186,231.341 118.414,231.425 163.995,231.484 165.9,231.6 193.533,231.643 121.446,231.772 160.2,231.8 182.985,231.852 249.833,231.943 98.195,232.025 101.204,232.025 105.796,232.083 108.805,232.083 111.805,232.083 114.807,232.083 128.8,232.1 161.5,232.3 168.125,232.401 186.3,232.4 189.2,232.4 96.694,232.775 99.697,232.775 107.303,232.833 110.306,232.833 113.308,232.833 116.309,232.833 118.414,232.925 183.957,232.995 121.446,233.272 145.121,233.286 146.621,233.286 148.121,233.286 149.621,233.286 151.121,233.286 152.621,233.286 154.121,233.286 155.621,233.286 157.121,233.286 173.043,233.266 171.543,233.287 158.043,233.331 167.019,233.414 142.214,233.458 178.971,233.451 177.471,233.481 98.195,233.525 101.204,233.525 162.523,233.519 164.023,233.519 165.523,233.519 105.796,233.583 108.805,233.583 111.805,233.583 114.807,233.583 180.462,233.615 143.688,233.731 193.533,233.943 249.833,234.243 96.694,234.275 99.697,234.275 141.187,234.252 107.303,234.333 110.306,234.333 113.308,234.333 116.309,234.333 118.414,234.425 184.081,234.49 189.181,234.531 186.3,234.6 121.446,234.772 146.735,234.793 148.871,234.793 150.371,234.793 151.871,234.793 144.382,235.003 98.195,235.025 101.204,235.025 142.534,235.035 105.796,235.083 108.805,235.083 111.805,235.083 114.807,235.083 154.297,235.099 139.878,235.34 153.58,235.54 175.313,235.565 96.694,235.775 99.697,235.775 107.303,235.833 110.306,235.833 113.308,235.833 116.309,235.833 118.414,235.925 136.9,236 162.3,236 184.081,235.99 193.514,235.985 153.013,236.105 157.2,236.1 121.446,236.272 141.196,236.29 145.578,236.295 249.814,236.285 151.399,236.361 181.049,236.495 98.195,236.525 101.204,236.525 105.796,236.583 108.805,236.583 111.805,236.583 114.807,236.583 174.252,236.625 143.14,236.69 189.2,236.7 186.3,236.8 152.549,236.829 148.502,236.908 150.002,236.908 147.002,236.93 134.5,237.2 96.694,237.275 99.697,237.275 107.303,237.333 110.306,237.333 113.308,237.333 116.309,237.333 161.6,237.4 172.962,237.39 118.414,237.425 184.081,237.49 166.02,237.57 139.5,237.6 165.2,237.61 130.82,237.63 163.58,237.65 164.44,237.66 145.75,237.756 158.761,237.734 121.446,237.772 181.049,237.995 98.195,238.025 101.204,238.025 105.796,238.083 108.805,238.083 111.805,238.083 114.807,238.083 193.533,238.243 130.79,238.42 249.833,238.543 155.76,238.56 96.694,238.775 99.697,238.775 144.689,238.817 107.303,238.833 110.306,238.833 113.308,238.833 116.309,238.833 133.066,238.827 134.566,238.837 189.181,238.861 118.414,238.925 168.967,238.9 184.081,238.99 186.3,239 137.3,239.06 136.41,239.08 158.9,239.1 155.19,239.13 149.88,239.22 121.446,239.272 161.6,239.3 181.049,239.495 98.195,239.525 101.204,239.525 105.796,239.583 108.805,239.583 111.805,239.583 114.807,239.583 138.938,239.644 140.438,239.644 141.938,239.644 143.438,239.644 154.63,239.73 149.88,240.03 154.05,240.27 96.694,240.275 99.697,240.275 107.303,240.333 110.306,240.333 113.308,240.333 116.309,240.333 249.833,240.343 118.414,240.425 184.081,240.49 121.446,240.772 165.06,240.76 149.84,240.78 193.633,240.843 181.049,240.995 98.195,241.025 101.204,241.025 105.796,241.083 108.805,241.083 111.805,241.083 114.807,241.083 186.3,241.1 189.1,241.2 170.5,241.3 146.357,241.436 149.85,241.61 96.694,241.775 99.697,241.775 107.303,241.833 110.306,241.833 113.308,241.833 116.309,241.833 118.414,241.925 184.081,241.99 121.446,242.272 124.5,242.5 249.814,242.488 98.195,242.525 101.204,242.525 105.796,242.583 108.805,242.583 111.805,242.583 114.807,242.583 138.196,242.676 139.696,242.676 158.658,242.723 159.758,242.723 193.614,242.988 136.736,243.018 189.181,243.244 96.694,243.275 99.697,243.275 107.303,243.333 110.306,243.333 113.308,243.333 116.309,243.333 167.249,243.392 186.3,243.4 118.414,243.425 184.082,243.49 121.889,243.705 158.658,243.823 160.858,243.823 98.195,244.025 101.204,244.025 105.796,244.083 108.805,244.083 111.805,244.083 114.807,244.083 153.28,244.17 136.736,244.518 249.833,244.643 126.3,244.7 122.949,244.766 96.694,244.775 99.697,244.775 107.303,244.833 110.306,244.833 113.308,244.833 116.309,244.833 118.786,244.878 159.758,244.923 184.106,244.989 181.046,245.098 193.633,245.143 186.3,245.5 186.3,245.5 98.195,245.525 101.204,245.525 105.796,245.583 108.805,245.583 111.805,245.583 114.807,245.583 117.807,245.583 189.2,245.6 124.01,245.826 119.841,245.944 136.736,246.018 150.16,246.11 151.02,246.11 151.72,246.12 152.46,246.13 96.694,246.275 99.697,246.275 107.303,246.333 110.306,246.333 113.308,246.333 116.309,246.333 130.3,246.406 132.55,246.42 184.106,246.489 181.074,246.598 145.83,246.77 147.19,246.79 249.814,246.818 125.071,246.887 98.195,247.025 101.204,247.025 120.902,247.005 105.796,247.083 108.805,247.083 111.805,247.083 114.807,247.083 117.807,247.083 131.48,247.16 162.84,247.16 193.614,247.318 156.6,247.4 164.3,247.49 136.736,247.518 189.181,247.574 186.3,247.7 96.694,247.775 99.697,247.775 107.303,247.833 110.306,247.833 113.308,247.833 116.309,247.833 119.306,247.833 132.55,247.89 126.182,247.894 127.682,247.894 129.182,247.894 130.32,247.93 184.06,247.989 121.962,248.066 164.89,248.07 159.76,248.27 98.195,248.525 101.204,248.525 141.92,248.549 165.36,248.57 105.796,248.583 108.805,248.583 111.805,248.583 114.807,248.583 117.807,248.583 155.221,248.674 136.644,249.015 170.91,249.099 123.023,249.126 143.282,249.178 144.782,249.178 146.282,249.178 147.782,249.178 165.95,249.18 183.174,249.199 249.833,249.243 96.694,249.275 99.697,249.275 153.857,249.297 107.303,249.333 110.306,249.333 113.308,249.333 116.309,249.333 119.306,249.333 120.6,249.6 152.25,249.614 166.49,249.69 193.633,249.743 149.538,249.803 186.3,249.8 189.2,249.9 98.195,250.025 101.204,250.025 151.236,250.046 105.796,250.083 108.805,250.083 111.805,250.083 114.807,250.083 117.807,250.083 135.69,250.173 124.084,250.187 146.2,250.2 182.114,250.26 167.08,250.28 152.846,250.404 184.6,250.5 245.733,250.543 122,250.6 96.694,250.775 99.697,250.775 177.705,250.776 179.205,250.776 180.705,250.776 167.62,250.79 107.303,250.833 110.306,250.833 113.308,250.833 116.309,250.833 119.306,250.833 125.391,250.921 126.891,250.926 128.391,250.926 129.891,250.926 131.391,250.926 132.891,250.926 134.391,250.923 176.264,251.19 249.833,251.243 148.597,251.315 142.062,251.34 140.798,251.352 146.886,251.39 150.31,251.401 162.6,251.4 168.23,251.4 248.033,251.443 98.195,251.525 101.204,251.525 105.796,251.583 108.805,251.583 111.805,251.583 114.807,251.583 117.807,251.583 145.108,251.588 151.947,251.606 243.333,251.643 120.7,251.7 193.633,251.743 135.7,251.8 136.964,251.788 138.198,251.852 139.462,251.84 168.758,251.864 189.181,251.903 181.6,252 183.8,252.1 186.3,252.1 130.702,252.148 131.966,252.136 245.933,252.143 133.2,252.2 134.464,252.188 175.145,252.19 122.004,252.21 96.694,252.275 99.697,252.275 123.238,252.274 124.502,252.262 125.728,252.28 126.993,252.268 107.303,252.333 110.306,252.333 113.308,252.333 116.309,252.333 119.306,252.333 128.227,252.332 129.491,252.32 173.709,252.623 247.533,252.743 142.062,252.84 149.515,252.834 244.333,252.843 140.798,252.852 151.165,252.885 147.802,252.908 156.746,252.919 178.2,252.9 98.195,253.025 101.204,253.025 172.277,253.07 105.796,253.083 108.805,253.083 111.805,253.083 114.807,253.083 117.807,253.083 146.105,253.157 168.155,253.238 135.7,253.3 136.964,253.288 157.86,253.32 158.7,253.32 159.36,253.32 160.23,253.32 161.79,253.31 138.198,253.352 139.462,253.34 160.91,253.33 164.351,253.493 144.349,253.543 249.833,253.543 121.977,253.578 120.713,253.59 176,253.6 124.476,253.63 123.211,253.642 125.702,253.648 126.966,253.636 130.702,253.648 131.966,253.636 128.2,253.7 129.464,253.688 133.2,253.7 134.464,253.688 183.1,253.7 96.694,253.775 99.697,253.775 107.303,253.833 110.306,253.833 113.308,253.833 116.309,253.833 119.306,253.833 193.633,254.043 155.8,254.083 173.9,254.1 171.217,254.13 242.233,254.143 186.3,254.2 189.2,254.2 150.505,254.232 165.65,254.242 167.15,254.242 142.062,254.34 148.86,254.341 140.798,254.352 243.733,254.343 248.133,254.343 98.195,254.525 101.204,254.525 105.796,254.583 108.805,254.583 111.805,254.583 114.807,254.583 117.807,254.583 147.161,254.589 179.5,254.6 135.7,254.8 136.964,254.788 159.082,254.817 139.462,254.84 138.198,254.852 157.15,254.963 172.3,255 145.497,255.011 160.644,255.028 121.977,255.078 120.713,255.09 182,255.1 124.476,255.13 123.211,255.142 125.702,255.148 126.966,255.136 130.702,255.148 131.966,255.136 128.2,255.2 129.464,255.188 133.2,255.2 134.464,255.188 162.087,255.184 170.156,255.191 96.694,255.275 99.697,255.275 176.9,255.3 107.303,255.333 110.306,255.333 113.308,255.333 116.309,255.333 119.306,255.333 155.037,255.374 174.9,255.5 143.788,255.579 249.814,255.585 183.9,255.6 149.982,255.638 142.036,255.707 140.772,255.72 244.233,255.743 247.533,255.843 148.357,255.912 98.195,256.025 101.204,256.025 105.796,256.083 108.805,256.083 111.805,256.083 114.807,256.083 117.807,256.083 193.614,256.085 135.673,256.168 136.937,256.156 161.805,256.163 138.172,256.22 139.436,256.207 163.148,256.245 189.181,256.233 169.095,256.252 146.692,256.334 186.3,256.4 130.675,256.516 131.939,256.504 245.933,256.543 133.173,256.568 134.437,256.556 159.657,256.59 248.433,256.643 126.962,256.674 125.698,256.687 171,256.7 129.46,256.726 128.196,256.738 154.448,256.753 157.728,256.737 96.694,256.775 99.697,256.775 120.74,256.822 122.004,256.81 107.303,256.833 110.306,256.833 113.308,256.833 116.309,256.833 119.306,256.833 243.333,256.843 123.238,256.874 124.502,256.862 145.076,256.903 164.427,257.027 167.811,257.027 165.927,257.038 149.605,257.09 142.036,257.207 140.772,257.22 155.964,257.268 184.8,257.3 98.195,257.525 101.204,257.525 148.011,257.52 160.746,257.525 105.796,257.583 108.805,257.583 111.805,257.583 114.807,257.583 117.807,257.583 143.433,257.609 135.673,257.668 136.937,257.656 138.172,257.72 139.436,257.707 249.833,257.843 176.664,257.888 162.6,257.9 169.6,257.9 175.4,257.9 186.4,257.9 179.162,257.94 177.898,257.952 183.2,258 130.675,258.016 131.939,258.004 133.173,258.068 134.437,258.056 146.394,258.089 193.804,258.097 195.068,258.085 196.404,258.097 197.668,258.085 199.004,258.097 200.268,258.085 201.604,258.097 202.868,258.085 204.304,258.097 205.568,258.085 206.904,258.097 208.168,258.085 209.504,258.097 210.768,258.085 212.104,258.097 213.368,258.085 214.904,258.097 216.168,258.085 217.504,258.097 218.768,258.085 220.104,258.097 221.368,258.085 222.704,258.097 223.968,258.085 225.404,258.097 226.668,258.085 228.004,258.097 229.268,258.085 230.604,258.097 231.868,258.085 233.204,258.097 234.468,258.085 235.868,258.085 237.204,258.097 238.468,258.085 239.804,258.097 241.068,258.085 242.404,258.097 243.668,258.085 245.104,258.097 246.368,258.085 247.704,258.097 126.962,258.174 125.698,258.187 154.057,258.202 129.46,258.226 158.786,258.225 128.196,258.238 96.694,258.275 99.697,258.275 173.4,258.3 120.74,258.322 122.004,258.31 107.303,258.333 110.306,258.333 113.308,258.333 119.306,258.333 123.238,258.374 124.502,258.362 116.3,258.4 189.2,258.5 149.364,258.571 164.3,258.6 142.036,258.707 168.2,258.7 140.772,258.72 144.864,258.897 171.3,258.9 117.9,259 166.3,259 98.195,259.025 101.204,259.025 105.796,259.083 108.805,259.083 111.805,259.083 114.7,259.1 135.673,259.168 136.937,259.156 138.172,259.22 139.436,259.207 159.982,259.311 176.664,259.388 175.4,259.4 179.162,259.44 130.675,259.516 131.939,259.504 182.6,259.5 187,259.5 133.173,259.568 134.437,259.556 126.962,259.674 125.698,259.687 153.897,259.693 129.46,259.726 128.196,259.738 96.694,259.775 99.697,259.775 120.74,259.822 122.004,259.81 107.303,259.833 110.306,259.833 113.308,259.833 119.306,259.833 123.238,259.874 124.502,259.862 143.316,259.903 161.9,259.9 149.323,260.07 158.455,260.107 166.687,260.13 165.423,260.143 169.186,260.182 170.528,260.18 171.793,260.168 167.922,260.194 173.027,260.232 174.291,260.22 142.002,260.362 140.738,260.374 164.2,260.4 98.195,260.525 101.204,260.525 189.181,260.563 105.796,260.583 108.805,260.583 111.805,260.583 114.1,260.6 118.5,260.6 144.812,260.75 136.904,260.81 135.64,260.822 139.402,260.862 138.138,260.874 176.664,260.888 183.1,260.9 179.162,260.94 177.898,260.952 186.4,261 126.935,261.042 125.671,261.054 129.433,261.094 128.169,261.106 130.642,261.171 131.906,261.158 120.713,261.19 121.977,261.178 153.897,261.193 159.907,261.176 133.14,261.222 134.404,261.21 123.211,261.242 124.476,261.23 96.694,261.275 99.697,261.275 107.303,261.333 110.306,261.333 113.308,261.333 119.306,261.333 162.8,261.4 181.2,261.5 143.31,261.554 149.319,261.57 166.687,261.63 165.423,261.643 169.186,261.682 170.528,261.68 171.793,261.668 167.922,261.694 184.8,261.7 173.027,261.732 174.291,261.72 140.738,261.874 142.002,261.862 158.411,261.937 114.6,262 98.195,262.025 101.204,262.025 105.796,262.083 108.805,262.083 111.805,262.083 117.9,262.1 136.904,262.31 144.807,262.309 179.136,262.307 187.1,262.3 135.64,262.322 139.402,262.362 138.138,262.374 126.935,262.542 254.235,262.542 256.835,262.542 259.435,262.542 262.035,262.542 264.735,262.542 267.335,262.542 268.835,262.542 271.535,262.542 125.671,262.554 255.571,262.554 258.171,262.554 260.771,262.554 263.471,262.554 266.071,262.554 270.271,262.554 272.871,262.554 129.433,262.594 128.169,262.606 162.535,262.642 165.135,262.642 167.635,262.642 171.435,262.642 174.035,262.642 176.535,262.642 213.335,262.642 215.935,262.642 218.535,262.642 221.235,262.642 223.835,262.642 225.035,262.642 227.635,262.642 230.235,262.642 232.835,262.642 235.535,262.642 238.135,262.642 239.635,262.642 242.235,262.642 244.835,262.642 247.435,262.642 250.135,262.642 252.735,262.642 130.642,262.671 131.906,262.658 161.271,262.654 163.871,262.654 166.371,262.654 168.971,262.654 170.171,262.654 172.771,262.654 175.271,262.654 177.871,262.654 212.071,262.654 214.671,262.654 217.271,262.654 219.971,262.654 222.571,262.654 226.371,262.654 228.971,262.654 231.571,262.654 234.271,262.654 236.871,262.654 240.971,262.654 243.571,262.654 246.171,262.654 248.871,262.654 251.471,262.654 120.713,262.69 121.977,262.678 153.906,262.693 159.915,262.693 133.14,262.722 134.404,262.71 123.211,262.742 124.476,262.73 96.694,262.775 99.697,262.775 116.3,262.8 189.2,262.8 107.303,262.833 110.306,262.833 113.308,262.833 119.306,262.833 143.305,263.06 149.314,263.07 140.738,263.374 142.002,263.362 158.416,263.443 98.195,263.525 101.204,263.525 105.796,263.583 108.805,263.583 111.805,263.583 114.807,263.583 117.807,263.583 185.7,263.7 179.771,263.754 180.971,263.754 182.235,263.742 183.571,263.754 186.934,263.764 188.198,263.752 136.904,263.81 138.1,263.8 144.805,263.816 135.64,263.822 162.735,263.842 165.335,263.842 167.835,263.842 171.635,263.842 174.235,263.842 176.735,263.842 139.402,263.862 161.471,263.854 164.071,263.854 166.571,263.854 169.171,263.854 170.371,263.854 172.971,263.854 175.471,263.854 178.071,263.854 160,264 217.3,264 126.435,264.042 129.035,264.042 131.535,264.042 134.135,264.042 125.171,264.054 127.771,264.054 130.271,264.054 132.871,264.054 120.802,264.19 122.066,264.178 212.6,264.2 123.3,264.242 96.694,264.275 99.697,264.275 211.6,264.3 107.303,264.333 110.306,264.333 113.308,264.333 116.309,264.333 215.1,264.5 273.7,264.5 158.416,264.943 98.195,265.025 101.204,265.025 105.796,265.083 108.805,265.083 111.805,265.083 114.807,265.083 117.807,265.083 216.7,265.1 213.5,265.2 186.664,265.288 185.4,265.3 144.804,265.32 147.807,265.32 189.162,265.34 187.898,265.352 162.535,265.642 165.135,265.642 167.635,265.642 171.435,265.642 174.035,265.642 176.535,265.642 181.635,265.642 161.271,265.654 163.871,265.654 166.371,265.654 168.971,265.654 170.171,265.654 172.771,265.654 175.271,265.654 177.871,265.654 179.171,265.654 180.371,265.654 182.971,265.654 153.906,265.693 156.915,265.693 159.915,265.693 184.2,265.7 126.935,265.742 129.535,265.742 132.035,265.742 135.835,265.742 138.435,265.742 140.935,265.742 125.671,265.754 128.271,265.754 130.771,265.754 133.371,265.754 134.571,265.754 137.171,265.754 139.671,265.754 142.271,265.754 96.694,265.775 99.697,265.775 120.8,265.8 107.303,265.833 110.306,265.833 113.308,265.833 116.309,265.833 119.306,265.833 124.562,265.84 123.298,265.852 222.9,265.9 234.7,265.9 143.305,266.07 146.305,266.07 149.314,266.07 155.413,266.443 158.416,266.443 211.581,266.445 273.7,266.5 98.195,266.525 101.204,266.525 105.796,266.583 108.805,266.583 111.805,266.583 114.807,266.583 117.807,266.583 212.9,266.7 217.3,266.7 218.6,266.7 186.664,266.788 185.4,266.8 144.804,266.82 147.807,266.82 187.898,266.852 189.162,266.84 184.164,266.888 182.9,266.9 153.906,267.193 156.915,267.193 159.915,267.193 96.694,267.275 99.697,267.275 107.303,267.333 110.306,267.333 113.308,267.333 116.309,267.333 119.306,267.333 143.305,267.57 146.305,267.57 149.314,267.57 155.413,267.943 158.416,267.943 98.195,268.025 101.204,268.025 105.796,268.083 108.805,268.083 111.805,268.083 114.807,268.083 117.807,268.083 213.4,268.1 216.7,268.2 185.4,268.3 186.664,268.288 144.804,268.32 147.807,268.32 187.898,268.352 189.162,268.34 184.164,268.388 182.9,268.4 273.7,268.5 211.6,268.6 153.906,268.693 156.915,268.693 159.915,268.693 96.694,268.775 99.697,268.775 107.303,268.833 110.306,268.833 113.308,268.833 116.309,268.833 119.306,268.833 215.1,268.9 143.305,269.07 146.305,269.07 149.314,269.07 212.6,269.4 155.413,269.443 158.416,269.443 124.8,269.5 136.6,269.5 98.195,269.525 101.204,269.525 105.796,269.583 108.805,269.583 111.805,269.583 114.807,269.583 117.807,269.583 217.1,269.6 228.7,269.6 186.637,269.656 185.373,269.668 165,269.7 176.8,269.7 189.136,269.707 187.872,269.72 184.137,269.756 182.873,269.768 144.804,269.82 147.807,269.82 153.906,270.193 156.915,270.193 159.915,270.193 96.694,270.275 99.697,270.275 214.9,270.3 107.303,270.333 110.306,270.333 113.308,270.333 116.309,270.333 119.306,270.333 273.746,270.492 143.305,270.57 146.305,270.57 149.314,270.57 211.581,270.775 155.413,270.943 158.416,270.943 98.195,271.025 101.204,271.025 105.796,271.083 108.805,271.083 111.805,271.083 114.807,271.083 117.807,271.083 186.637,271.156 185.373,271.168 189.136,271.207 187.872,271.22 184.137,271.256 182.873,271.268 144.804,271.32 147.807,271.32 153.906,271.693 156.915,271.693 159.915,271.693 96.694,271.775 99.697,271.775 107.303,271.833 110.306,271.833 113.308,271.833 116.309,271.833 119.306,271.833 143.305,272.07 146.305,272.07 149.314,272.07 155.413,272.443 158.416,272.443 267.6,272.5 269.6,272.5 271.6,272.5 273.746,272.492 98.195,272.525 101.204,272.525 263.608,272.546 265.608,272.546 105.796,272.583 108.805,272.583 111.805,272.583 114.807,272.583 117.807,272.583 186.637,272.656 185.373,272.668 187.872,272.72 189.136,272.707 184.137,272.756 182.873,272.768 144.804,272.82 147.807,272.82 222.9,272.9 234.6,272.9 130.6,273.2 153.906,273.193 156.915,273.193 159.915,273.193 211.6,273.2 96.694,273.275 99.697,273.275 107.303,273.333 110.306,273.333 113.308,273.333 116.309,273.333 119.306,273.333 170.8,273.4 143.305,273.57 146.305,273.57 149.314,273.57 155.413,273.943 158.416,273.943 98.195,274.025 101.204,274.025 105.796,274.083 108.805,274.083 111.805,274.083 114.807,274.083 117.807,274.083 144.804,274.32 147.807,274.32 185.34,274.322 186.604,274.31 187.838,274.374 189.102,274.362 182.84,274.422 184.104,274.41 273.746,274.492 153.906,274.693 156.915,274.693 159.915,274.693 96.694,274.775 99.697,274.775 107.303,274.833 110.306,274.833 113.308,274.833 116.309,274.833 119.306,274.833 143.305,275.07 146.305,275.07 149.314,275.07 211.6,275.2 155.413,275.443 158.416,275.443 98.195,275.525 101.204,275.525 105.796,275.583 108.805,275.583 111.805,275.583 114.807,275.583 117.807,275.583 144.804,275.82 147.807,275.82 185.34,275.822 186.604,275.81 187.838,275.874 189.102,275.862 182.84,275.922 184.104,275.91 153.906,276.193 156.915,276.193 159.915,276.193 96.694,276.275 99.697,276.275 107.303,276.333 110.306,276.333 113.308,276.333 116.309,276.333 119.306,276.333 124.8,276.5 136.5,276.5 143.305,276.57 146.305,276.57 149.314,276.57 165,276.7 176.7,276.7 155.413,276.943 158.416,276.943 98.195,277.025 101.204,277.025 105.796,277.083 108.805,277.083 111.805,277.083 114.807,277.083 117.807,277.083 144.804,277.32 147.807,277.32 185.34,277.322 186.604,277.31 187.838,277.374 189.102,277.362 182.84,277.422 184.104,277.41 211.6,277.5 153.906,277.693 156.915,277.693 159.915,277.693 96.694,277.775 99.697,277.775 215.1,277.8 107.303,277.833 110.306,277.833 113.308,277.833 116.309,277.833 119.306,277.833 143.305,278.07 146.305,278.07 149.314,278.07 273.8,278.3 98.195,278.525 101.204,278.525 105.796,278.583 108.805,278.583 111.805,278.583 114.807,278.583 117.807,278.583 185.313,278.69 186.577,278.678 187.811,278.742 189.076,278.73 182.813,278.79 184.077,278.778 144.804,278.82 147.807,278.82 158.416,279.183 153.906,279.193 155.413,279.19 159.9,279.2 96.694,279.275 99.697,279.275 107.303,279.333 110.306,279.333 113.308,279.333 116.309,279.333 119.306,279.333 211.581,279.542 143.305,279.57 146.305,279.57 149.314,279.57 98.195,280.025 101.204,280.025 105.796,280.083 108.805,280.083 111.805,280.083 114.807,280.083 117.807,280.083 185.313,280.19 186.577,280.178 187.811,280.242 189.076,280.23 182.813,280.29 184.077,280.278 273.8,280.3 144.804,280.32 147.807,280.32 125.671,280.654 126.935,280.642 128.271,280.654 129.535,280.642 130.771,280.654 132.035,280.642 133.371,280.654 134.571,280.654 135.835,280.642 137.171,280.654 138.435,280.642 139.671,280.654 140.935,280.642 142.271,280.654 161.271,280.654 162.535,280.642 163.871,280.654 165.135,280.642 166.371,280.654 167.635,280.642 168.971,280.654 170.171,280.654 171.435,280.642 172.771,280.654 174.035,280.642 175.271,280.654 176.535,280.642 177.871,280.654 179.571,280.654 180.771,280.654 121.977,280.678 156.915,280.68 159.915,280.666 120.713,280.69 153.906,280.693 124.476,280.73 123.211,280.742 96.694,280.775 99.697,280.775 107.303,280.833 110.306,280.833 113.308,280.833 116.309,280.833 119.306,280.833 143.305,281.07 149.314,281.07 220.9,281.5 98.195,281.525 101.204,281.525 105.796,281.583 108.805,281.583 111.805,281.583 114.807,281.583 117.807,281.583 211.6,281.8 144.804,281.82 121.977,282.178 159.927,282.166 120.713,282.19 136.8,282.2 142.2,282.2 153.919,282.193 185.7,282.2 124.476,282.23 135.536,282.212 138.124,282.225 139.388,282.213 140.936,282.212 123.211,282.242 161.302,282.248 162.566,282.236 169.502,282.248 170.766,282.236